# KiCad board Cockpit.kicad_pcb (continued)
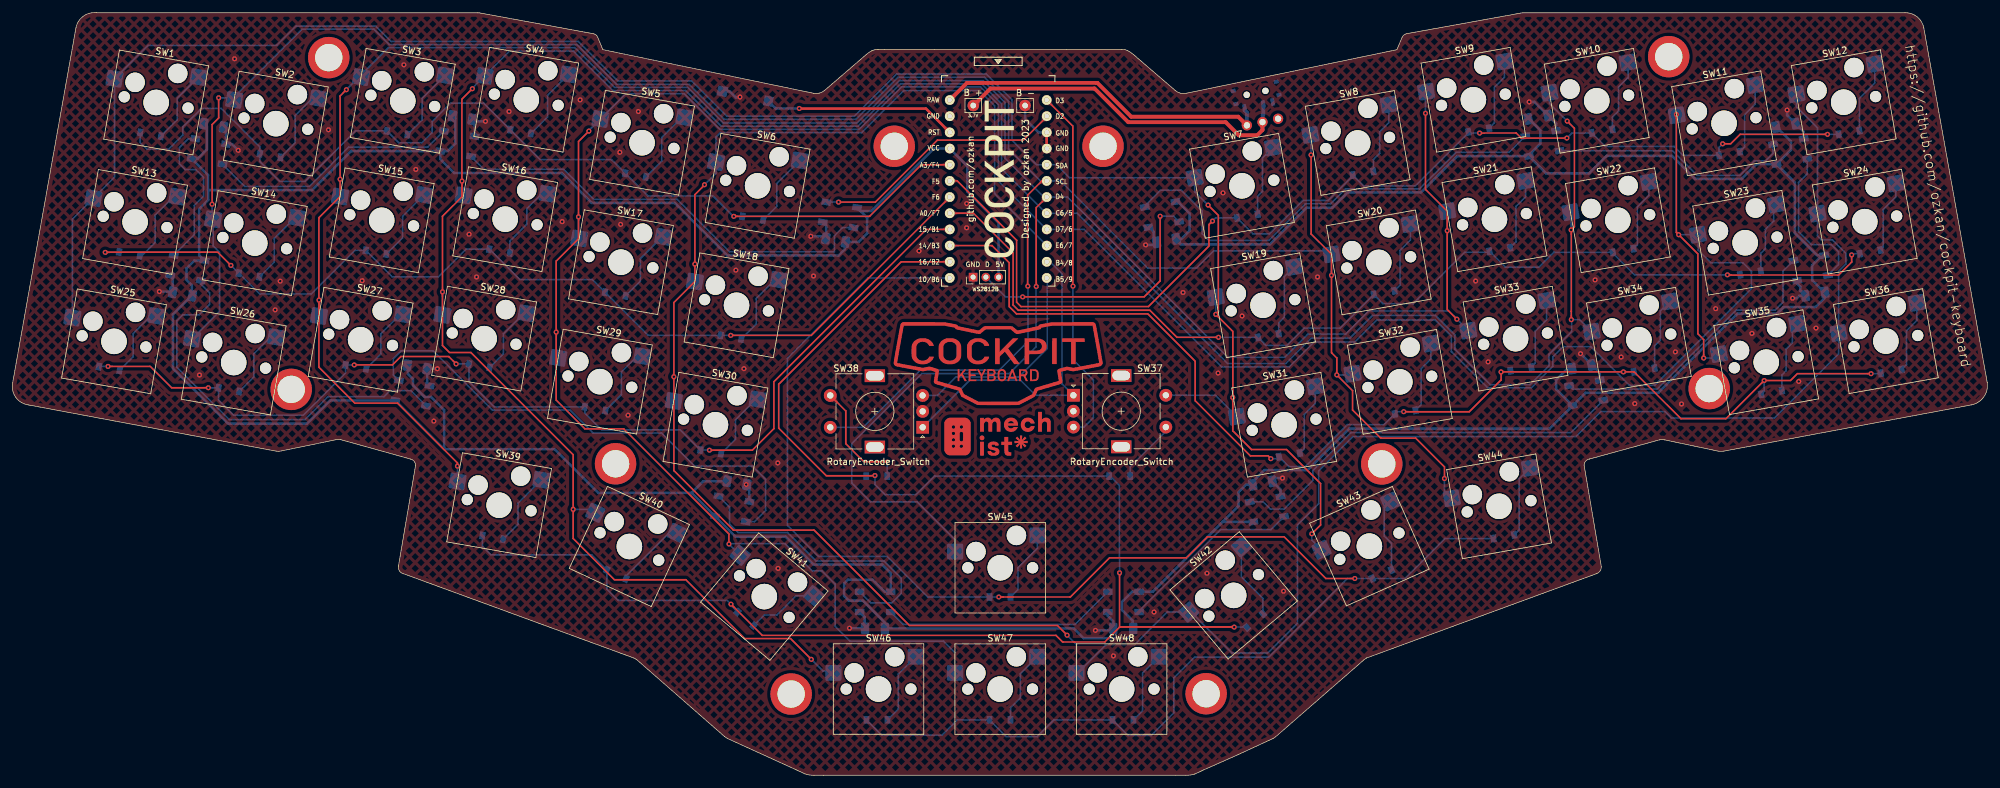
[diagram p0: board, top side]
## Routing (per net, layer and track width the routed paths; a pad name or vN(x,y) marks a point on that pad's centre or on a via; arc(x,y) is an arc through that point) (continued)
COL2: length 423.6
  Top w0.25: v2(160.62,76.76) 160.62,89.16 U1.7 ; v2(69.79,48.55) 69.79,49.05 60.39,58.44 53.68,58.44 48.06,64.07 v2(48.06,74.62) 48.06,87.58 51.37,90.89 v2(51.37,93.61) 51.37,106.68 v2(52.36,107.67) ; 226.59,71.68 225.12,73.15 v2(225.12,85.52) SW21.1 221.71,92.01 v2(221.71,103.97)
  Bottom w0.25: v2(51.37,93.61) 51.37,90.89 SW15.1 ; v2(48.06,74.62) SW27.1 ; SW33.1 v2(226.64,71.62) 225.34,72.92 212.82,72.92 209.18,69.29 203.27,69.29 199.61,65.63 190.69,65.63 165.52,90.81 U1.7 161.81,90.81 155.72,96.9 155.72,105.66 152.29,109.09 139.16,109.09 132.5,102.44 111.5,102.44 105.91,108.03 94.45,108.03 88.2,114.27 58.94,114.27 52.36,107.69 v2(52.36,107.67) ; SW9.1 221.71,107.26 v2(221.71,103.97) ; v2(69.79,48.55) 69.8,48.54 SW39.1 ; SW45.1 147.89,36.98 141.92,42.95 134.63,42.95 131.67,45.91 131.67,52.08 142.67,63.08 156.39,63.08 160.59,67.29 160.59,76.73 v2(160.62,76.76) ; v2(225.12,85.52) SW21.1
COL3: length 408.8
  Top w0.25: v2(243.95,102.74) 245.07,101.61 245.07,86.16 v2(244.56,85.65) 244.59,85.62 244.59,72.86 244.59,72.86 v2(244.59,71.55) ; v2(125.32,18.2) 122.06,21.46 114.87,21.46 105.63,30.71 94.43,30.71 87.95,37.19 v2(87.95,41.76) 87.95,50.34 71.9,66.4 68.54,66.4 67.44,67.5 67.44,75.92 v2(67.44,75.92) 67.44,87.79 70.5,90.86 v2(70.5,93.31) 70.5,106.2 v2(72.13,107.83)
  Bottom w0.25: SW34.1 245.91,71.55 v2(244.59,71.55) 244.65,71.49 244.65,69.68 241.09,66.12 241.09,64.31 238.11,61.34 231.89,61.34 226.33,66.9 226.33,69.16 223.28,72.21 213.4,72.21 209.84,68.66 203.77,68.66 199.79,64.67 190.64,64.67 167.04,88.27 162.17,88.27 155.18,95.25 155.18,105.46 152.06,108.58 139.31,108.58 132.65,101.93 111.19,101.93 105.58,107.54 94.17,107.54 87.97,113.74 77.97,113.74 72.13,107.9 v2(72.13,107.83) ; v2(70.5,93.31) 70.5,91.31 SW16.1 ; SW46.1 128.49,16.37 127.15,16.37 v2(125.32,18.2) ; v2(243.95,102.74) 241.16,105.52 SW10.1 ; v2(67.44,75.92) SW28.1 ; v2(87.95,41.76) 90.89,41.76 SW40.1 ; v2(244.56,85.65) 244.56,88.53
COL4: length 441.2
  Top w0.25: v2(261.08,103.78) 261.08,85.26 v2(261.44,84.9) 264.45,81.88 264.45,69.34 265.36,68.43 v2(265.36,65.52) ; v2(112.4,36.31) 112.4,37.88 95.87,54.41 89.8,54.41 85.29,58.92 85.29,69.6 v2(85.28,69.6) 85.28,80.75 88.79,84.25 v2(88.79,87.7) 88.79,99.54 v2(90.42,101.17)
  Bottom w0.25: SW29.1 85.28,65.87 v2(85.28,69.6) ; SW35.1 267.14,65.52 v2(265.36,65.52) ; SW41.1 v2(112.4,36.31) 112.46,36.37 121.2,36.37 125.47,32.11 126.99,32.11 129.07,30.02 129.07,23.37 131.38,21.06 146.06,21.06 147.85,19.27 147.85,16.06 ; SW17.1 88.79,84.44 v2(88.79,87.7) ; 90.42,101.26 SW5.1 ; 90.42,101.26 96.19,107.04 105.37,107.04 110.96,101.45 132.83,101.45 139.51,108.13 151.86,108.13 154.68,105.31 154.68,93.29 162.24,85.73 U1.9 168.14,85.73 189.73,64.13 200.32,64.13 204.23,68.05 210.61,68.05 214.06,71.5 223.23,71.5 225.77,68.96 225.77,66.52 225.78,66.53 231.46,60.86 238.32,60.86 241.7,64.24 241.7,65.71 243.3,67.31 247.64,67.31 253.71,61.24 257.67,61.24 272.86,76.43 272.86,79.15 271.52,80.49 266.49,80.49 264.51,82.47 264.51,84.85 264.46,84.9 v2(261.44,84.9) ; 90.42,101.26 v2(90.42,101.17)
COL5: length 417.8
  Top w0.25: v2(165.47,21.99) 163.94,23.52 140.73,23.52 125.74,38.51 113.1,38.51 103.76,47.84 103.76,62.57 v2(103.75,62.59) 103.75,74.24 SW18.1 v2(107.05,80.29) 107.05,91.19 108.56,92.7 v2(108.56,92.75)
  Bottom w0.25: SW18.1 v2(107.05,80.29) ; v2(108.56,92.75) 110.36,94.54 110.36,100.24 111.05,100.94 132.7,100.94 132.73,100.91 133.21,100.91 139.82,107.52 151.73,107.52 154.09,105.16 154.09,91.36 162.27,83.19 ; v2(165.47,21.99) 166.94,20.52 SW48.1 167.15,16.08 171.59,20.52 176.06,20.52 181.18,25.64 184.89,25.64 191.33,19.2 196.94,19.2 201.61,23.88 201.61,39.32 204.94,42.65 204.94,47.8 210.33,53.19 245.3,53.19 249.24,57.12 259.3,57.12 260.31,56.11 276.47,56.11 286.54,66.18 SW36.1 286.54,79.16 287.67,80.29 287.67,81.97 285.56,84.07 283.83,84.07 283.23,84.68 SW24.1 283.23,101.67 279.92,104.98 SW12.1 ; SW30.1 103.75,58.79 v2(103.75,62.59)
D2: length 40.2
  Top w0.25: v2(129.59,90.02) 135.37,90.02 145.1,99.75 158.59,99.75 162.27,103.43 U1.2
  Bottom w0.25: LED1.4 127.68,90.02 v2(129.59,90.02)
D3: length 56.7
  Top w0.25: v2(166.38,76.81) 166.36,76.83 166.36,101.95 162.27,106.05
  Bottom w0.25: v2(166.38,76.81) 166.36,76.78 166.36,65.3 169.59,62.08 169.59,56.16 168.11,54.68 SW37.B
DOUT: length 43.2
  Top w0.25: 178.03,75.6 180.06,77.64 v2(180.06,87.8) ; v2(158.49,75.13) 177.56,75.13 178.04,75.62
  Bottom w0.25: LED14.2 182.17,87.8 v2(180.06,87.8) ; v2(158.49,75.13) 155.81,75.13 J3.2
RAW: length 53.4
  Top w0.6: 147.05,106.05 149.74,108.74 170.22,108.74 175.53,103.43 192.32,103.43 SW_TOG1.1
  Bottom w0.6: SW_TOG1.1 193.68,104.08 193.32,104.44 SW49.3
ROW0: length 158.2
  Top w0.25: v2(113.15,87.78) 134.46,87.78 142.56,95.89 U1.20
  Bottom w0.25: D3.1 53.79,101.2 45.86,93.27 41.9,93.27 38.78,96.38 D2.1 38.78,98.67 32.73,104.72 29.61,104.72 26.68,101.8 26.68,100.53 24.47,98.32 21.05,98.32 20,99.37 D1.1 ; D6.1 114.51,87.78 v2(113.15,87.78) 113.08,87.78 109.88,90.98 99.68,90.98 D5.1 93.97,96.7 82.76,96.7 D4.1 73.9,105.56 68.72,105.56 65.83,102.67 65.83,100.94 64.23,99.34 60.57,99.34 58.71,101.19
ROW1: length 174.4
  Top w0.25: v2(284.8,100.66) 271.08,100.66 269.6,99.17 v2(268.34,99.17) ; v2(188.29,87.04) 187.73,86.48 187.73,83.12 178.22,73.61 158.23,73.61 157.55,74.29 157.55,84.02 148.22,93.35 U1.19 ; v2(230.2,100.86) 235.95,100.86 236.74,100.07 v2(243.9,100.07)
  Bottom w0.25: v2(284.8,100.66) 286.55,100.66 D12.1 ; v2(243.9,100.07) 244.69,100.86 247.82,100.86 249.93,98.75 260.72,98.75 262.12,97.36 267.78,97.36 D11.1 267.78,98.61 v2(268.34,99.17) ; v2(230.2,100.86) 228.41,100.86 220.11,92.56 211.99,92.56 D8.1 210.28,94.11 206.44,90.27 202.45,90.27 197.22,85.04 194.61,85.04 D7.1 188.78,87.54 v2(188.29,87.04)
ROW2: length 158.4
  Top w0.25: v2(34.24,80.07) 32.17,82.14 14.53,82.14 v2(14.51,82.12) ; v2(112.67,69.09) 125.33,69.09 U1.18
  Bottom w0.25: D13.1 16.63,82.12 v2(14.51,82.12) ; v2(112.67,69.09) 99.72,69.09 D17.1 90.95,77.85 79.59,77.85 74.83,82.62 D16.1 71.13,82.62 66.79,78.28 59.55,78.28 D15.1 53.7,82.44 46.85,75.59 38.75,75.59 D14.1 35.45,78.86 v2(34.24,80.07)
ROW3: length 171
  Top w0.25: v2(288.59,81.72) 288.59,80.6 286.55,78.56 269.12,78.56 v2(269.09,78.6) ; 147.05,88.27 150.76,88.27 156.99,82.04 156.99,73.86 157.82,73.02 178.46,73.02 182.7,68.78 v2(189.23,68.78)
  Bottom w0.25: D23.1 254.51,78.6 251.1,82.01 ; v2(189.23,68.78) 195.42,68.78 D19.1 196.41,67.79 196.41,67.74 196.64,67.51 199.94,67.51 202.66,70.23 208.31,70.23 D20.1 215.03,74.07 219.78,74.07 227.85,82.14 231.6,82.14 D21.1 234.23,79.81 239.51,79.81 241.83,82.13 D22.1 ; v2(288.59,81.72) 288.77,81.9 D24.1
ROW4: length 169.4
  Top w0.25: v2(69.59,64.6) 68.43,65.76 60.9,65.76 59.58,64.44 v2(53.59,64.44) ; v2(14.95,64.21) 21.58,64.21 24.93,60.86 v2(30.7,60.86) ; U1.16 143.37,85.73 119.45,61.8 119.45,54.43 116.07,51.05 v2(109.33,51.05)
  Bottom w0.25: 89.78,57.84 89.78,56.87 92.39,54.25 104.74,54.25 D30.1 109.3,51.08 v2(109.33,51.05) ; v2(53.59,64.44) 52.23,64.44 D27.1 52.22,63.18 45.58,56.54 34.66,56.54 32.3,58.9 D26.1 30.71,60.85 v2(30.7,60.86) ; D25.1 13.55,64.21 v2(14.95,64.21) ; v2(69.59,64.6) 69.6,64.61 D28.1 71.6,61.81 75.56,57.85 D29.1
ROW5: length 186.9
  Top w0.25: v2(218.29,57.1) 228.59,57.1 233.56,62.07 v2(233.56,63.35) 233.56,63.35 v2(252.76,63.35) 254.45,63.35 261.79,56.01 268.87,56.01 v2(274.86,62) 278.99,62 280.06,63.07 v2(291.63,63.07) ; v2(197.44,49.72) 196.99,50.17 194.22,50.17 185.57,58.82 185.57,65.03 178.14,72.47 157.52,72.47 156.38,73.61 156.38,80.49 153.68,83.19 147.05,83.19
  Bottom w0.25: D33.1 234.87,63.35 v2(233.56,63.35) ; v2(197.44,49.72) 198.44,49.72 D31.1 198.73,50 200.24,48.49 202.86,48.49 209.44,55.07 215.22,55.07 217.25,57.1 v2(218.29,57.1) ; D36.1 293.09,63.07 v2(291.63,63.07) ; v2(252.76,63.35) 254.39,63.35 D34.1 ; D35.1 274.86,60.3 v2(274.86,62)
ROW6: length 276.2
  Top w0.25: v2(173.7,31.8) 173.7,23.3 191.66,23.3 v2(191.69,23.27) 191.68,23.28 173.73,23.28 171.38,20.93 164.76,20.93 163.72,21.97 117.62,21.97 112.72,26.87 v2(112.71,26.87) ; U1.14 139.44,80.65 120.21,61.42 120.21,54.51 127.68,47.04 135.28,47.04 v2(135.31,47.07)
  Bottom w0.25: v2(191.69,23.27) 193.62,23.27 D42.1 ; v2(173.7,31.8) 173.7,34.16 173.68,34.18 173.68,45.52 172.21,46.99 144.67,46.99 141.75,44.07 136.9,44.07 135.31,45.65 v2(135.31,47.07) 135.23,46.99 D38.1 ; D39.1 73.71,35.93 75.02,34.62 90.87,34.62 D40.1 93.23,29.23 95.01,27.46 112.12,27.46 v2(112.71,26.87) 112.71,26.67 D41.1
ROW7: length 276.9
  Top w0.25: v2(154.74,28) 165.97,28 172.12,34.14 184.17,34.14 187.47,37.44 199.53,37.44 206.07,30.9 v2(210.62,30.9)
  Bottom w0.25: v2(154.74,28) 143.59,28 137.23,34.37 126.46,34.37 121.58,39.24 121.58,65.48 134.2,78.11 U1.13 ; D44.1 224.75,37.18 218.47,30.9 v2(210.62,30.9) 209.45,30.9 197.09,18.54 185.46,18.54 182.21,15.29 182.21,9.8 178.65,6.25 175.03,6.25 D48.1 163.4,8.69 160.77,6.07 155.91,6.07 D47.1 148.23,8.69 145.84,6.3 136.38,6.3 D46.1
RST: length 30.5
  Top w0.4: 147.05,100.97 143.32,104.7 123.46,104.7 v2(123.44,104.72)
  Bottom w0.4: Reset1.1 119.73,104.72 v2(123.44,104.72)
Net-(D1-Pad2): length 11.7
  Bottom w0.25: D1.2 25.82,102.94 25.82,106.35 29.12,109.65 SW1.2
Net-(D2-Pad2): length 12.2
  Bottom w0.25: D2.2 44.31,99.33 44.31,103.61 47.03,106.33 SW2.2
Net-(D3-Pad2): length 11.7
  Bottom w0.25: SW3.2 64.25,106.31 64.25,102.92 D3.2
Net-(D4-Pad2): length 11.7
  Bottom w0.25: D4.2 83.94,103.41 83.94,106.79 SW4.2
Net-(D5-Pad2): length 12.1
  Bottom w0.25: SW5.2 105.02,103.33 101.84,100.15 101.84,96.45 D5.2
Net-(D6-Pad2): length 11.7
  Bottom w0.25: SW6.2 119.9,92.93 119.9,89.35 D6.2
Net-(D7-Pad2): length 11.5
  Bottom w0.25: SW7.2 196.13,96.95 196.13,91.69 195.37,90.93 D7.2
Net-(D8-Pad2): length 11.5
  Bottom w0.25: SW8.2 215.94,102.49 214.52,101.07 214.52,97.69 213.53,96.7 D8.2
Net-(D9-Pad2): length 11.5
  Bottom w0.25: SW9.2 234.1,109.62 232.53,108.05 232.53,102.46 D9.2
Net-(D10-Pad2): length 11.6
  Bottom w0.25: SW10.2 253.51,111.89 253.51,109.5 253.41,109.5 252.01,108.1 252.01,104.32 251.05,103.35 D10.2
Net-(D11-Pad2): length 11.5
  Bottom w0.25: SW11.2 273.44,105.4 271.79,103.76 271.79,98.7 D11.2
Net-(D12-Pad2): length 11.5
  Bottom w0.25: SW12.2 292.21,108.71 289.8,106.3 D12.2
Net-(D13-Pad2): length 12.3
  Bottom w0.25: D13.2 20.29,81.61 22.34,83.67 22.34,87.99 25.25,90.89 SW13.2
Net-(D14-Pad2): length 11.9
  Bottom w0.25: D14.2 41.04,80.6 41.04,84.3 44.3,87.56 SW14.2
Net-(D15-Pad2): length 11.7
  Bottom w0.25: SW15.2 61.18,87.78 61.18,84.4 D15.2
Net-(D16-Pad2): length 12.3
  Bottom w0.25: SW16.2 83.01,91.32 80.69,89 80.69,86.56 78.03,83.9 D16.2
Net-(D17-Pad2): length 11.8
  Bottom w0.25: SW17.2 101.93,84.57 98.49,81.13 98.49,77.59 D17.2
Net-(D18-Pad2): length 12.1
  Bottom w0.25: D18.2 116.68,70.87 116.68,74.88 119.6,77.8 SW18.2
Net-(D19-Pad2): length 11.5
  Bottom w0.25: D19.2 198.67,71.05 199.56,71.93 199.56,78.31 SW19.2
Net-(D20-Pad2): length 11.6
  Bottom w0.25: D20.2 217.72,76.96 217.72,82.45 219.34,84.07 219.34,86.46 SW20.2
Net-(D21-Pad2): length 11.5
  Bottom w0.25: D21.2 235.9,83.77 235.9,89.33 237.41,90.83 SW21.2
Net-(D22-Pad2): length 11.5
  Bottom w0.25: SW22.2 256.76,91.06 254.95,89.26 254.95,83.3 D22.2
Net-(D23-Pad2): length 11.5
  Bottom w0.25: SW23.2 276.34,89.25 276.34,87.02 275.05,85.72 275.05,82.7 274.34,81.99 D23.2
Net-(D24-Pad2): length 11.5
  Bottom w0.25: SW24.2 295.52,90.83 293.54,88.85 293.54,82.9 D24.2
Net-(D25-Pad2): length 11.4
  Bottom w0.25: D25.2 18.89,65.72 18.89,69.37 21.65,72.13 SW25.2
Net-(D26-Pad2): length 11.4
  Bottom w0.25: SW26.2 40.45,68.8 37.84,66.19 37.84,62.56 D26.2
Net-(D27-Pad2): length 11.2
  Bottom w0.25: D27.2 57.77,66.16 57.77,69.34 60.82,72.38 SW27.2
Net-(D28-Pad2): length 11.1
  Bottom w0.25: D28.2 77,66.19 77,69.34 80.22,72.56 SW28.2
Net-(D29-Pad2): length 11.4
  Bottom w0.25: D29.2 95.52,59.78 95.52,63.35 97.98,65.81 SW29.2
Net-(D30-Pad2): length 11.1
  Bottom w0.25: D30.2 113.43,52.78 113.43,55.83 116.64,59.04 SW30.2
Net-(D31-Pad2): length 11.5
  Bottom w0.25: SW31.2 204.39,58.38 202.68,56.67 202.68,51.29 D31.2
Net-(D32-Pad2): length 11.5
  Bottom w0.25: D32.2 221.02,58.19 221.02,63.86 222.55,65.39 SW32.2
Net-(D33-Pad2): length 11.5
  Bottom w0.25: SW33.2 240.71,71.53 238.93,69.75 238.93,64.72 D33.2
Net-(D34-Pad2): length 11.5
  Bottom w0.25: D34.2 257.66,67.45 258.56,68.35 258.56,72.91 SW34.2
Net-(D35-Pad2): length 11.5
  Bottom w0.25: D35.2 277.64,62.87 278.3,63.52 278.3,66.93 279.29,67.92 279.29,70.13 SW35.2
Net-(D36-Pad2): length 11.5
  Bottom w0.25: SW36.2 298.83,71.43 297.19,69.8 297.19,64.49 D36.2
Net-(D37-Pad2): length 10
  Bottom w0.25: SW37.S1 180.96,54.02 175.38,48.44 175.38,47.01 D37.2
Net-(D38-Pad2): length 18.5
  Top w0.25: SW38.S1 130.73,57.21 130.73,52.08 133.57,49.24 137.18,49.24 v1(137.21,49.27)
  Bottom w0.25: D38.2 137.24,49.25 v1(137.21,49.27)
Net-(D39-Pad2): length 11.8
  Bottom w0.25: SW39.2 82.97,46.4 79.29,42.72 79.29,39.41 D39.2
Net-(D40-Pad2): length 11.2
  Bottom w0.25: D40.2 96.22,31.29 103,38.06 SW40.2
Net-(D41-Pad2): length 11.3
  Bottom w0.25: D41.2 117.94,25.17 119.92,25.17 122.94,28.2 SW41.2
Net-(D42-Pad2): length 12
  Bottom w0.25: SW42.2 192.82,31.15 196.2,27.77 D42.2
Net-(D43-Pad2): length 11.6
  Bottom w0.25: SW43.2 215.23,42.05 215.23,37.57 216.37,36.42 D43.2
Net-(D44-Pad2): length 11.5
  Bottom w0.25: D44.2 236.41,38.54 236.41,46.54 SW44.2
Net-(D45-Pad2): length 11.4
  Bottom w0.25: D45.2 157.75,29.16 157.75,32.59 160.81,35.65 SW45.2
Net-(D46-Pad2): length 11.8
  Bottom w0.25: SW46.2 138.98,15.88 138.98,10.39 D46.2
Net-(D47-Pad2): length 11.6
  Bottom w0.25: D47.2 156.58,10.62 158.13,12.17 158.13,15.95 160.78,18.6
Net-(D48-Pad2): length 11.6
  Bottom w0.25: D48.2 177.31,10.11 177.31,16.06 SW48.2
Net-(J2-Pad1): length 54
  Top w0.6: SW_TOG1.2 196.13,101.34 195.29,100.51 192.42,100.51 190.35,102.57 175.06,102.57 169.78,107.85 153.44,107.85 150.76,105.18
  Bottom w0.6: SW49.2 196.26,103.76 196.17,103.67 196.17,102.63 SW_TOG1.2
Net-(LED1-Pad2): length 69.3
  Bottom w0.25: LED1.2 130.22,86.01 128.95,84.73 128.95,82.22 112.49,82.22 104.26,90.45 91.18,90.45 86.45,95.17 73.94,95.17 LED2.4
Net-(LED2-Pad2): length 39.8
  Bottom w0.25: LED3.4 36.39,92.48 46.55,92.48 52.72,98.65 65.12,98.65 LED2.2
Net-(LED3-Pad2): length 24.4
  Bottom w0.25: LED3.2 27.54,99.97 26.15,98.58 26.15,96.04 27.07,95.12 28.72,95.12 29.94,93.9 29.94,90.93 28.49,89.48 28.49,84.91 LED4.4
Net-(LED4-Pad2): length 63.2
  Bottom w0.25: LED4.2 29.53,77.14 30.9,75.77 30.9,73.96 29.25,72.31 26.68,72.31 25.74,71.37 25.74,64.08 33.97,55.85 45.86,55.85 49.47,59.46 58.26,59.46 59.2,60.4 62.48,60.4 LED5.4
Net-(LED5-Pad2): length 79.8
  Bottom w0.25: LED5.2 60.57,62.02 59.73,62.86 59.73,65.43 60.95,66.65 65.98,66.65 75.27,57.35 87.47,57.35 91.07,53.75 101.82,53.75 107,48.56 116.04,48.56 118.15,46.46 118.15,41.58 116.4,39.82 LED6.4
Net-(LED6-Pad2): length 45.8
  Bottom w0.25: LED7.4 134.65,27.08 137.96,27.08 139.44,28.55 139.44,30.96 136.74,33.65 126.05,33.65 121.58,38.12 113.83,38.12 112.49,39.47 112.49,42.11 LED6.2
Net-(LED7-Pad2): length 37
  Bottom w0.25: LED7.2 139.73,23.7 166.73,23.7 LED8.4
Net-(LED8-Pad2): length 29.1
  Bottom w0.25: LED9.4 197.45,38.58 189.55,38.58 176.76,25.79 LED8.2
Net-(LED10-Pad2): length 46.7
  Bottom w0.25: LED10.2 244.78,60.65 258.08,60.65 270.47,73.05 276.57,73.05 277.81,74.29 277.81,79.18 LED11.4
Net-(LED10-Pad4): length 63.9
  Bottom w0.25: LED10.4 244.55,53.82 210.02,53.82 204.03,47.83 204.03,46.3 199.53,41.81 197.37,41.81 196.24,42.94 LED9.2
Net-(LED11-Pad2): length 24
  Bottom w0.25: LED12.4 281.62,94.46 280.25,93.09 280.25,85.37 282.28,83.34 285.41,83.34 286.53,82.22 286.53,80.21 LED11.2
Net-(LED12-Pad2): length 38
  Bottom w0.25: LED13.4 260.47,98.09 264.35,94.21 271.03,94.21 273.32,96.49 275.07,96.49 276.24,97.66 LED12.2
Net-(LED13-Pad2): length 73.1
  Bottom w0.25: LED13.2 234.83,97.84 226.51,97.84 220.82,92.15 220.82,92.13 220.79,92.1 209.16,92.1 206.82,89.76 202.88,89.76 197.12,84 187.71,84 186.66,85.05 186.66,88.6 183.39,91.87 180.1,91.87 177.66,89.43 LED14.4

## Copper pours and planes (outline as drawn; the poured copper is in the pictures)
GND on Top, Bottom: 73.22,119.75 91.26,116.45 91.61,116.19 91.84,115.76 92.63,113.91 125.67,107.1 126.36,107.12 127.01,107.24 134.06,113.3 135.08,113.9 135.84,114.02 174.04,113.98 175.1,113.75 175.94,113.14 182.67,107.35 183.48,107.06 184.51,107.17 217.22,114.01 218.03,115.89 218.38,116.34 218.87,116.52 236.88,119.72 296.93,119.79 297.98,119.63 298.85,119.19 299.51,118.43 299.93,117.4 309.85,61.76 309.82,60.44 309.29,59.32 308.45,58.53 307.31,58.13 268.63,50.91 267.46,50.94 259.18,52.67 258.82,52.72 258.31,52.64 247.44,49.67 246.81,49.29 246.6,48.63 249.27,32.8 249.14,32.09 248.46,31.64 212.34,18.4 197.94,5.85 185.62,0.22 184.56,0.02 125.49,-0.02 124.25,0.22 111.93,5.93 97.95,18.12 97.46,18.4 60.99,31.78 60.65,32.17 60.5,32.55 63.22,48.88 63.01,49.29 62.58,49.62 51.43,52.72 50.79,52.72 41.92,50.89 41.14,50.91 1.97,58.25 1.1,58.68 0.33,59.5 -0.03,60.54 -0.07,61.2 9.9,117.21 10.33,118.45 11.05,119.18 11.95,119.68 13.02,119.76
VCC on Bottom: 243.76,63.35 243.83,63.41 243.89,63.44 243.95,63.46 244.01,63.46 244.07,63.45 244.13,63.43 244.19,63.4 244.39,63.29 245.03,63.87 244.23,64.35 244.14,64.26 244.06,64.19 243.67,63.82 243.58,63.73 243.48,63.63
VCC on Bottom: 67.3,97.05 67.3,97.16 67.31,97.25 67.32,97.33 67.34,97.41 67.37,97.47 67.4,97.53 67.43,97.59 67.51,97.73 67.55,97.82 67.1,98.29 66.65,97.82 66.69,97.73 66.77,97.59 66.8,97.53 66.83,97.47 66.85,97.41 66.87,97.33 66.89,97.25 66.89,97.16 66.9,97.05
VCC on Bottom: 283.26,76.59 283.37,76.47 283.45,76.37 283.51,76.27 283.56,76.18 283.6,76.09 283.63,76 283.66,75.9 283.69,75.8 283.73,75.69 283.79,75.56 284.65,75.64 284.54,76.49 284.41,76.51 284.3,76.53 284.2,76.54 284.1,76.56 284.01,76.58 283.93,76.6 283.84,76.64 283.75,76.69 283.65,76.77 283.54,76.87
VCC on Bottom: 59.05,58.67 59.16,58.67 59.25,58.66 59.33,58.64 59.41,58.62 59.47,58.6 59.53,58.57 59.59,58.54 59.73,58.46 59.82,58.42 60.29,58.87 59.82,59.32 59.73,59.28 59.59,59.2 59.53,59.17 59.47,59.14 59.41,59.12 59.33,59.1 59.25,59.08 59.16,59.07 59.05,59.07
VCC on Bottom: 275.81,95.77 275.92,95.76 276.01,95.75 276.1,95.74 276.17,95.72 276.23,95.7 276.29,95.67 276.36,95.64 276.49,95.56 276.58,95.52 277.05,95.97 276.58,96.42 276.49,96.37 276.36,96.3 276.29,96.26 276.23,96.24 276.17,96.21 276.1,96.19 276.01,96.18 275.92,96.17 275.81,96.17
VCC on Bottom: 236.95,97.04 237.06,97.03 237.15,97.02 237.23,97.01 237.3,96.99 237.37,96.97 237.43,96.94 237.49,96.91 237.63,96.83 237.72,96.79 238.19,97.24 237.72,97.69 237.63,97.64 237.49,97.57 237.43,97.53 237.37,97.51 237.3,97.48 237.23,97.46 237.15,97.45 237.06,97.44 236.95,97.44
VCC on Bottom: 177.75,29.03 177.64,29.03 177.54,29.04 177.46,29.05 177.39,29.07 177.33,29.1 177.26,29.13 177.2,29.16 177.06,29.24 176.98,29.28 176.51,28.83 176.98,28.38 177.06,28.42 177.2,28.5 177.26,28.53 177.33,28.56 177.39,28.58 177.46,28.6 177.54,28.62 177.64,28.63 177.75,28.63
VCC on Bottom: 193.7,39.59 193.81,39.59 193.9,39.58 193.98,39.56 194.06,39.54 194.12,39.52 194.18,39.49 194.24,39.46 194.38,39.38 194.47,39.34 194.94,39.79 194.47,40.24 194.38,40.2 194.24,40.12 194.18,40.09 194.12,40.06 194.06,40.03 193.98,40.01 193.9,40 193.81,39.99 193.7,39.99
VCC on Bottom: 30.67,101.21 30.67,101.37 30.67,101.5 30.65,102.2 30.65,102.34 29.75,102.56 29.79,101.71 29.87,101.68 29.94,101.65 30.01,101.62 30.08,101.59 30.13,101.55 30.18,101.51 30.22,101.45 30.25,101.39 30.26,101.31 30.27,101.21
VCC on Bottom: 138.11,23.26 137.97,23.27 137.86,23.29 137.76,23.31 137.67,23.35 137.6,23.39 137.52,23.44 137.45,23.49 137.37,23.54 137.28,23.6 137.17,23.66 136.55,23.06 137.17,22.47 137.28,22.52 137.37,22.58 137.45,22.64 137.52,22.69 137.6,22.74 137.67,22.78 137.76,22.81 137.86,22.84 137.97,22.86 138.11,22.86
VCC on Bottom: 109.37,41.23 109.45,41.15 109.51,41.08 109.55,41.01 109.59,40.95 109.62,40.89 109.64,40.82 109.66,40.75 109.71,40.6 109.74,40.51 110.39,40.5 110.37,41.15 110.28,41.18 110.13,41.22 110.06,41.24 110,41.27 109.94,41.3 109.87,41.33 109.81,41.38 109.73,41.44 109.65,41.52
VCC on Bottom: 60.88,58.31 60.8,58.39 60.74,58.47 60.69,58.53 60.66,58.6 60.63,58.66 60.6,58.72 60.58,58.79 60.54,58.94 60.51,59.03 59.86,59.05 59.87,58.4 59.96,58.37 60.12,58.32 60.18,58.3 60.25,58.28 60.31,58.25 60.37,58.21 60.44,58.17 60.51,58.11 60.6,58.03
VCC on Bottom: 277.83,101.06 277.72,101.18 277.64,101.28 277.57,101.38 277.53,101.47 277.49,101.56 277.46,101.65 277.43,101.75 277.4,101.85 277.35,101.96 277.3,102.09 276.44,102.01 276.55,101.16 276.68,101.13 276.79,101.12 276.89,101.1 276.99,101.09 277.07,101.07 277.16,101.04 277.25,101.01 277.34,100.95 277.44,100.88 277.55,100.78
VCC on Bottom: 28.93,96.26 28.85,96.34 28.79,96.41 28.74,96.48 28.7,96.54 28.67,96.61 28.65,96.67 28.63,96.74 28.59,96.89 28.56,96.98 27.91,96.99 27.92,96.34 28.01,96.32 28.16,96.27 28.23,96.25 28.29,96.23 28.36,96.2 28.42,96.16 28.49,96.11 28.56,96.05 28.64,95.98
VCC on Bottom: 137.6,29.82 137.59,29.71 137.58,29.61 137.57,29.53 137.55,29.46 137.53,29.39 137.5,29.33 137.46,29.27 137.39,29.13 137.35,29.05 137.8,28.58 138.25,29.05 138.2,29.13 138.13,29.27 138.09,29.33 138.07,29.39 138.04,29.46 138.02,29.53 138.01,29.61 138,29.71 138,29.82
VCC on Bottom: 29.1,80.63 29.21,80.63 29.3,80.62 29.38,80.6 29.46,80.58 29.52,80.56 29.58,80.53 29.64,80.5 29.78,80.42 29.87,80.38 30.34,80.83 29.87,81.28 29.78,81.24 29.64,81.16 29.58,81.13 29.52,81.1 29.46,81.08 29.38,81.06 29.3,81.04 29.21,81.03 29.1,81.03
VCC on Bottom: 111.06,40.12 110.98,40.2 110.92,40.27 110.87,40.34 110.83,40.4 110.8,40.47 110.78,40.53 110.76,40.6 110.71,40.75 110.68,40.84 110.03,40.85 110.05,40.2 110.14,40.17 110.29,40.13 110.36,40.11 110.42,40.09 110.49,40.06 110.55,40.02 110.62,39.97 110.69,39.91 110.77,39.83
VCC on Bottom: 130.6,82.35 130.7,82.46 130.78,82.56 130.83,82.66 130.87,82.75 130.93,82.92 130.96,83.01 131.01,83.1 131.07,83.19 131.16,83.28 130.73,84.08 130.06,83.54 130.11,83.43 130.17,83.33 130.23,83.24 130.3,83.15 130.36,83.07 130.41,82.99 130.44,82.9 130.43,82.82 130.4,82.73 130.32,82.63
VCC on Bottom: 238.97,102.33 238.86,102.45 238.77,102.55 238.71,102.65 238.66,102.74 238.63,102.83 238.6,102.92 238.57,103.02 238.53,103.12 238.49,103.23 238.44,103.36 237.58,103.28 237.69,102.43 237.82,102.4 237.93,102.39 238.03,102.37 238.12,102.36 238.21,102.34 238.3,102.31 238.39,102.28 238.48,102.22 238.58,102.15 238.68,102.05
VCC on Bottom: 110.88,45.98 111.02,45.97 111.14,45.96 111.24,45.93 111.33,45.9 111.4,45.85 111.48,45.81 111.55,45.76 111.64,45.7 111.73,45.65 111.84,45.59 112.45,46.2 111.81,46.78 111.7,46.72 111.61,46.66 111.46,46.55 111.39,46.51 111.32,46.46 111.23,46.43 111.13,46.4 111.02,46.38 110.88,46.38
VCC on Bottom: 29.25,81.39 29.32,81.31 29.38,81.23 29.43,81.17 29.47,81.1 29.5,81.04 29.52,80.98 29.54,80.91 29.58,80.76 29.61,80.67 30.26,80.65 30.25,81.3 30.16,81.33 30.01,81.38 29.94,81.4 29.88,81.42 29.81,81.45 29.75,81.49 29.68,81.53 29.61,81.59 29.53,81.67
VCC on Bottom: 238.41,98.16 238.32,98.08 238.24,98.01 238.17,97.95 238.1,97.91 238.03,97.87 237.83,97.76 237.75,97.71 237.66,97.66 237.81,97.02 238.43,97.19 238.45,97.42 238.46,97.49 238.48,97.55 238.5,97.61 238.53,97.67 238.57,97.74 238.62,97.81 238.69,97.88
VCC on Bottom: 66.11,97.84 66.22,97.83 66.31,97.82 66.4,97.81 66.47,97.79 66.53,97.77 66.59,97.74 66.66,97.71 66.8,97.63 66.88,97.59 67.35,98.04 66.88,98.49 66.8,98.44 66.66,98.37 66.59,98.33 66.53,98.31 66.47,98.28 66.4,98.26 66.31,98.25 66.22,98.24 66.11,98.24
VCC on Bottom: 62.23,63.06 62.23,63.22 62.25,63.36 62.27,63.47 62.3,63.57 62.34,63.66 62.38,63.75 62.43,63.84 62.47,63.94 62.52,64.05 62.57,64.18 61.9,64.72 61.39,64.03 61.46,63.92 61.53,63.83 61.59,63.75 61.65,63.67 61.7,63.6 61.75,63.52 61.78,63.43 61.81,63.33 61.82,63.21 61.83,63.06
VCC on Bottom: 28.91,97.03 28.85,96.97 28.78,96.95 28.73,96.95 28.67,96.98 28.61,97.01 28.56,97.06 28.5,97.12 28.44,97.17 28.37,97.23 28.3,97.27 27.83,96.82 28.44,96.46 28.51,96.52 28.58,96.56 28.65,96.57 28.73,96.58 28.8,96.59 28.87,96.59 28.95,96.6 29.03,96.63 29.11,96.67 29.2,96.74
VCC on Bottom: 243.95,58.6 244.03,58.52 244.09,58.45 244.14,58.38 244.17,58.32 244.2,58.25 244.23,58.19 244.25,58.12 244.29,57.97 244.32,57.88 244.97,57.87 244.96,58.52 244.87,58.55 244.71,58.59 244.65,58.61 244.58,58.63 244.52,58.66 244.46,58.7 244.39,58.75 244.32,58.81 244.23,58.89
VCC on Bottom: 175.5,21.76 175.61,21.88 175.71,21.97 176.21,22.5 176.31,22.59 175.88,23.39 175.21,22.85 175.25,22.76 175.32,22.59 175.34,22.51 175.36,22.43 175.37,22.36 175.36,22.28 175.34,22.21 175.29,22.13 175.22,22.04
VCC on Bottom: 154.51,79.58 154.51,79.42 154.49,79.29 154.46,79.18 154.43,79.09 154.39,79 154.34,78.92 154.23,78.75 154.17,78.65 154.11,78.53 154.71,77.89 155.32,78.53 155.26,78.65 155.2,78.75 155.09,78.92 155.04,79 155,79.09 154.96,79.18 154.94,79.29 154.92,79.42 154.91,79.58
VCC on Bottom: 284.18,74.48 284.28,74.6 284.37,74.7 284.44,74.79 284.49,74.87 284.58,75.03 284.63,75.11 284.69,75.19 284.77,75.28 284.86,75.37 284.43,76.17 283.76,75.63 283.8,75.53 283.85,75.44 283.95,75.26 283.99,75.18 284.02,75.1 284.03,75.02 284.01,74.94 283.97,74.86 283.9,74.77
VCC on Bottom: 183.46,89.73 183.37,89.83 183.29,89.91 183.23,89.98 183.18,90.04 183.03,90.22 182.98,90.29 182.91,90.36 182.84,90.43 182.24,90.15 182.57,89.59 182.71,89.61 182.77,89.62 182.83,89.62 182.89,89.62 182.94,89.61 183,89.59 183.05,89.55 183.11,89.51 183.18,89.45
VCC on Bottom: 244.23,57.2 244.32,57.28 244.39,57.34 244.46,57.39 244.52,57.42 244.58,57.45 244.65,57.48 244.71,57.5 244.87,57.54 244.96,57.57 244.97,58.22 244.32,58.21 244.29,58.12 244.25,57.97 244.23,57.9 244.2,57.83 244.17,57.77 244.14,57.71 244.09,57.64 244.03,57.57 243.95,57.49
VCC on Bottom: 133.34,88.6 133.26,88.68 133.2,88.76 133.16,88.82 133.12,88.89 133.09,88.95 133.07,89.02 133.05,89.08 133,89.23 132.97,89.32 132.32,89.34 132.34,88.69 132.43,88.66 132.58,88.61 132.65,88.59 132.71,88.57 132.77,88.54 132.84,88.5 132.9,88.46 132.98,88.4 133.06,88.32
VCC on Bottom: 136.42,24.15 136.49,24.06 136.53,23.97 136.54,23.89 136.53,23.81 136.5,23.73 136.45,23.65 136.34,23.47 136.29,23.38 136.25,23.27 136.92,22.73 137.35,23.53 137.26,23.63 137.19,23.72 137.13,23.8 137.09,23.88 137,24.04 136.95,24.13 136.88,24.22 136.8,24.32 136.7,24.43
VCC on Bottom: 183.55,84.69 183.48,84.63 183.42,84.59 183.35,84.58 183.29,84.59 183.23,84.62 183.16,84.65 183.1,84.69 183.03,84.74 182.96,84.79 182.88,84.83 182.25,84.25 183.05,83.77 183.13,83.86 183.21,83.92 183.29,83.98 183.35,84.02 183.49,84.12 183.57,84.17 183.65,84.23 183.74,84.31 183.84,84.4
VCC on Bottom: 68.09,98.24 67.98,98.24 67.88,98.25 67.8,98.26 67.73,98.28 67.66,98.31 67.6,98.33 67.54,98.37 67.4,98.44 67.32,98.49 66.85,98.04 67.32,97.59 67.4,97.63 67.54,97.71 67.6,97.74 67.66,97.77 67.73,97.79 67.8,97.81 67.88,97.82 67.98,97.83 68.09,97.84
VCC on Bottom: 245.35,58.89 245.27,58.81 245.2,58.75 245.13,58.7 245.07,58.66 245,58.63 244.94,58.61 244.87,58.59 244.72,58.55 244.63,58.52 244.62,57.87 245.27,57.88 245.3,57.97 245.34,58.12 245.36,58.19 245.38,58.25 245.41,58.32 245.45,58.38 245.5,58.45 245.56,58.52 245.63,58.6
VCC on Bottom: 183.48,83.59 183.37,83.6 183.3,83.64 183.25,83.69 183.23,83.77 183.22,83.86 183.23,83.95 183.24,84.06 183.24,84.17 183.24,84.28 183.23,84.39 182.37,84.5 182.58,83.58 182.69,83.57 182.79,83.54 182.87,83.5 182.94,83.44 183,83.38 183.07,83.33 183.15,83.27 183.24,83.23 183.34,83.2 183.48,83.19
VCC on Bottom: 148.27,97.49 148.15,97.62 148.06,97.74 147.99,97.85 147.95,97.95 147.91,98.06 147.89,98.16 147.87,98.27 147.85,98.39 147.81,98.53 147.77,98.68 146.78,98.7 146.8,97.71 146.95,97.66 147.08,97.63 147.2,97.6 147.31,97.58 147.42,97.56 147.52,97.53 147.63,97.48 147.74,97.42 147.85,97.33 147.98,97.21
VCC on Bottom: 136.67,28.72 136.75,28.65 136.84,28.61 136.92,28.59 137,28.58 137.07,28.58 137.15,28.58 137.22,28.58 137.3,28.56 137.37,28.53 137.44,28.47 138.05,28.83 137.58,29.28 137.5,29.23 137.44,29.18 137.38,29.12 137.32,29.06 137.26,29 137.2,28.96 137.15,28.93 137.09,28.93 137.02,28.95 136.95,29
